# Altium PCB 应变片击打感应模块.PcbDoc
Units mil, origin at the board's own origin, x right, y up, seen from the top; angles counter-clockwise.
Board outline 2145 x 2210 mil, 2 copper layers (Top Layer, Bottom Layer); 36 components, 18 nets, 102 pads, 274 vias.
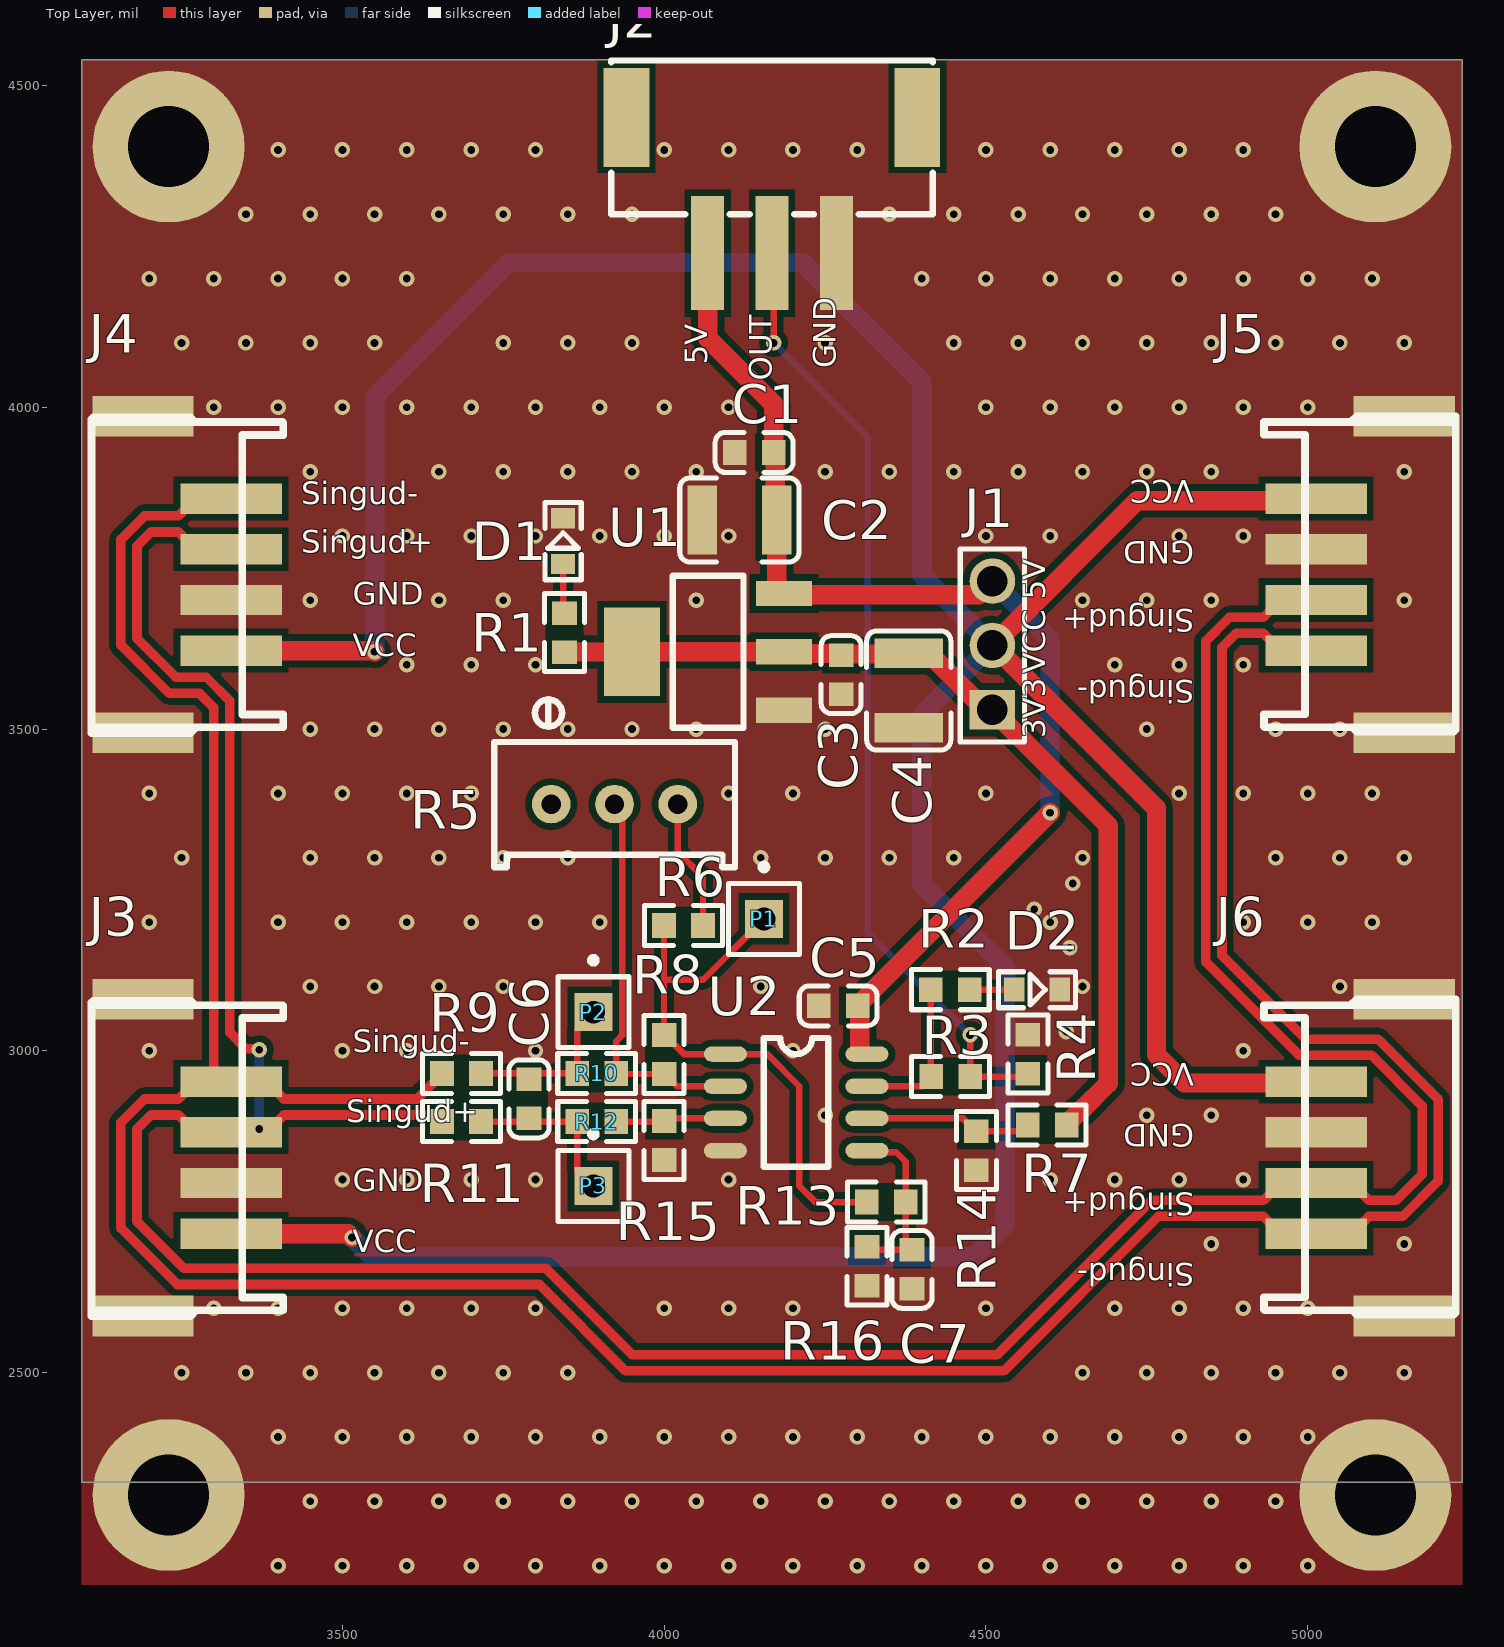
[diagram p0: Top Layer view]
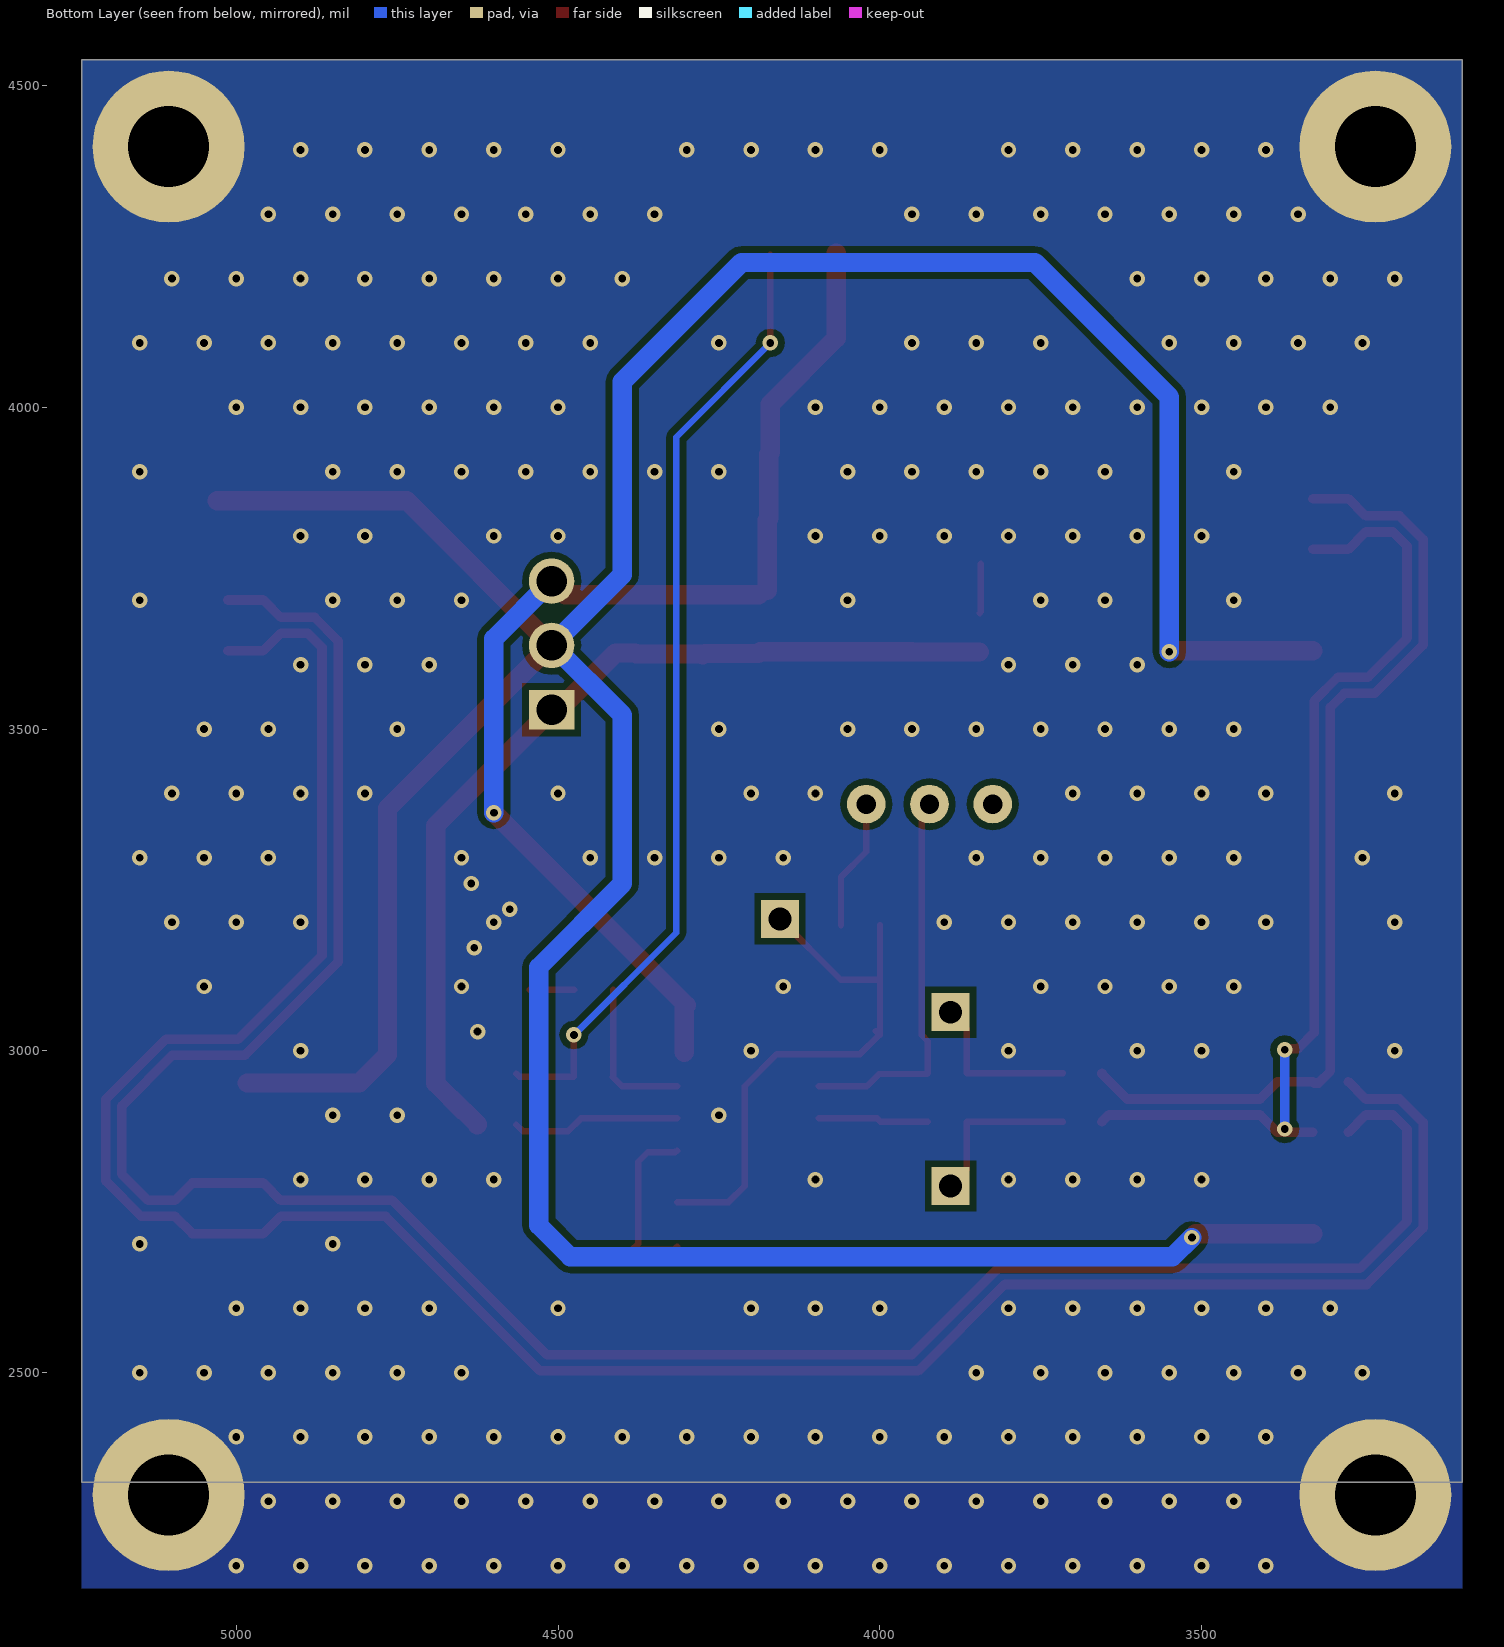
[diagram p1: Bottom Layer view, seen from below]
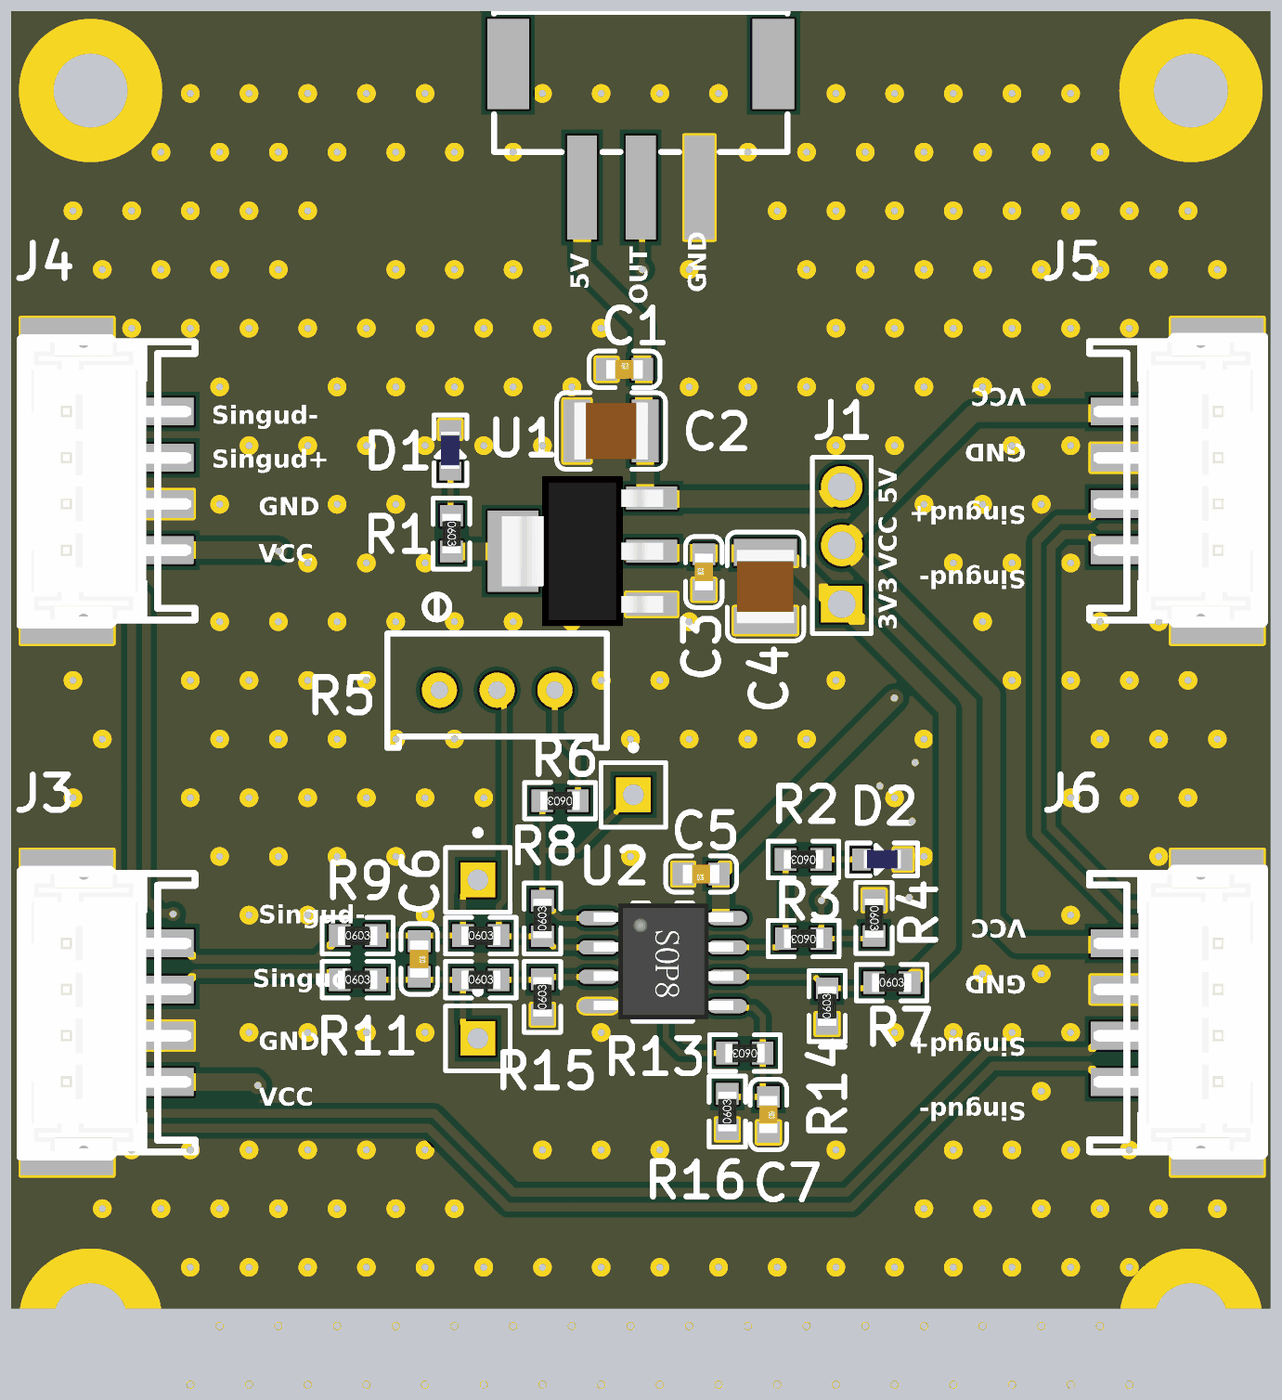
[diagram p2: 3D render of the assembled board from above, using the file's embedded part models]

## Layer stack, top to bottom
Top Solder: solder mask 0.4, Solder Resist, Dk 3.5
Top Layer: signal copper 1.4
Dielectric 1: dielectric 12.6, FR-4, Dk 4.8
Bottom Layer: signal copper 1.4
Bottom Solder: solder mask 0.4, Solder Resist, Dk 3.5

## Board outline
3095,2330 3095,4540 5240,4540 5240,2330

## Design rules (kind name [scope] priority, off if disabled: settings)
Clearance [All] p1: gap=10 ignorepadtopadclearanceinfootprint=FALSE except(0: Arc-Hole Track-Hole SMDPad-Hole THPad-Hole Via-Hole Fill-Hole Poly-Hole Region-Hole Text-Hole)
PolygonConnect [All] p1: connectstyle=Direct reliefconductorwidth=10 reliefentries=4 polygonreliefangle="90 Angle" airgapwidth=10
RoutingVias [All] p1: holewidth=28 width=50 viastyle="Through Hole" minholewidth=28 minwidth=50 maxholewidth=28 maxwidth=50
SolderMaskExpansion [All] p1: expansion=4 istentingtop=FALSE
Width [All] p1: maxlimit=100 minlimit=10 preferedwidth=10
30 further rules are at their usual default settings.

## Components (designator, comment, footprint, x,y, rotation, side; value= is the part's Value field where it differs from the comment)
C1 "10uF" 0603_C 4140,3930 r0 top
C2 "10uF" 1210_C 4116.93,3825 r0 top
C3 "10uF" 0603_C 4275,3585 r90 top
C4 "10uF" 1210_C 4380,3560 r90 top
C5 "100nF" 0603_C 4270,3070 r180 top
C6 "?uF" 0603_C 3790,2925 r270 top
C7 "?uF" 0603_C 4385,2660 r270 top
D1 "LED0" LED-0603 3845,3790 r90 top
D2 "LED0" LED-0603 4577.25,3093 r0 top
J1 "HEADER1x3" "排针排母 3P 2.54mm" 4510,3630 r90 top
J2 "PH 3P" "XH 3P 2.54mm 立 贴" 4167.5,4345 r0 top
J3 "HEADER1x4" "PH 4P 2mm 卧 贴" 3295,2833.97 r90 top
J4 "HEADER1x4" "PH 4P 2mm 卧 贴" 3295,3740 r90 top
J5 "HEADER1x4" "PH 4P 2mm 卧 贴" 5045,3740 r270 top
J6 "HEADER1x4" "PH 4P 2mm 卧 贴" 5045,2833.97 r270 top
P1 "Plug" PIN1 4155,3205 r0 top
P2 "Plug" PIN1 3890,3060 r0 top
P3 "Plug" PIN1 3890,2790 r0 top
R1 "1K" 0603_R 3845,3650 r270 top
R2 "1K" 0603_R 4444.69,3095 r180 top
R3 "1K" 0603_R 4445,2960 r180 top
R4 "3K" 0603_R 4565,2995 r270 top
R5 "20K" 3296X 3920,3385 r90 top
R6 "100K" 0603_R 4030,3195 r180 top
R7 "1K" 0603_R 4595,2885 r0 top
R8 "348K" 0603_R 4000,2994.33 r90 top
R9 "100R" 0603_R 3685,2965 r0 top
R10 "1K" 0603_R 3895,2965 r0 top
R11 "100R" 0603_R 3685,2890 r0 top
R12 "1K" 0603_R 3895,2890 r0 top
R13 "60R" 0603_R 4345,2765 r180 top
R14 "1K" 0603_R 4485,2845 r90 top
R15 "750K" 0603_R 4000,2860.67 r90 top
R16 "1K" 0603_R 4315,2665.31 r90 top
U1 "AMS1117" AMS1117 3929.11,3746 r270 top
U2 "LM358" SOP-8 4096,2996 r0 top

## Footprints (in the part's own frame and the unit in brackets; to place one, negate y for a bottom-side part, rotate by r counter-clockwise, add the part's x,y. Pads: shape width x height; smd on the part's side, far side on the other; paste and mask are expansions set on the pad)
0603_C [mm] "SMD, 0603"
  rect 0.93x0.98 smd: 1(-0.778,0) 2(0.762,0)
  silkscreen extent -1.54,-0.79 1.53,0.79, body extent -0.81,-0.4 0.79,0.4, height 0.3
0603_R [mm] "SMD, 0603"
  rect 0.93x0.98 smd: 1(-0.77,0) 2(0.77,0)
  silkscreen extent -1.53,-0.79 1.54,0.79, body extent -0.85,-0.4 0.85,0.4, height 0.56
1210_C [mm] "SMD, 1210"
  rect 1.16x2.72 smd: 1(-1.475,0) 2(1.475,0)
  silkscreen extent -2.35,-1.66 2.36,1.66, body extent -1.6,-1.25 1.6,1.25, height 1.3
3296X [mil]
  round 60 hole 30: 1(-1.57,95.64) 2(-1.57,-2.78) 3(-1.57,-101.21)
  silkscreen extent -100,-190 161,184
AMS1117 [mm]
  rect 1x2.2 smd: 1(5.5,6.531) 2(3.2,6.531) 3(0.9,6.531)
  rect 3.5x2.2 smd: 2(3.2,0.531)
  silkscreen extent 0.2,2.13 6.2,4.93, body extent -0.04,0.04 6.44,7.02, height 1.64
LED-0603 [mm]
  rect 0.8x0.95 smd: 1(-0.849,0.051) 2(0.951,0.051)
  silkscreen extent -1.47,-0.66 1.57,0.76, body extent -0.75,-0.34 0.85,0.46, height 0.8
"PH 4P 2mm 卧 贴" [mm]
  rect 1.6x4 smd: 0(-6.248,2.667) 0(6.248,2.667)
  rect 1.2x4 smd: 1(-3,-0.813) 2(-1,-0.813) 3(1,-0.813) 4(3,-0.813)
  silkscreen extent -6.25,-2.87 6.2,4.7, body extent -6,-2.7 6,4.7, height 6.5
PIN1 [mm] "Connector; Plug"
  rect 1.5x1.5 hole 0.9: 1(0,0)
  silkscreen extent -1.4,-1.4 1.4,2.17
SOP-8 [mil]
  oval 66.93x24 smd: 1(-1,-1) 2(-1,-51) 3(-1,-101) 4(-1,-151) 5(219,-151) 6(219,-101) 7(219,-51) 8(219,-1)
  silkscreen extent 59,-176 159,24, body extent -9,-174 229,24, height 63
"XH 3P 2.54mm 立 贴" [mm]
  rect 1.3x4.5 smd: 1(-2.54,-2.675) 2(0,-2.675) 3(2.54,-2.675)
  rect 1.8x3.9 smd: 4(-5.741,2.675) 5(5.741,2.675)
  silkscreen extent -6.35,-1.13 6.35,4.93
"排针排母 3P 2.54mm" [mm]
  rect 1.575x1.8 hole 1.2: 1(-2.54,0)
  round 1.8 hole 1.2: 2(0,0) 3(2.54,0)
  silkscreen extent -3.81,-1.27 3.81,1.27

## Part data
C1 C2 C3 C4 C5 C6 C7: library part Cap, LatestRevisionDate=17-Jul-2002, LatestRevisionNote="Re-released for DXP Platform.", PackageReference=RAD-0.3, Published=8-Jun-2000, Publisher="Altium Limited"
R1 R2 R3 R4 R6 R7 R8 R9 R10 R11 R12 R13 R14 R15 R16: library part Res, LatestRevisionDate=17-Jul-2002, LatestRevisionNote="Re-released for DXP Platform.", PackageReference=AXIAL-0.4, Published=8-Jun-2000, Publisher="Altium Limited"
R5: library part 精密可调电阻20K
U1: "线性稳压3.3V-5V 1A"
U2: BOM_Manufacturer="BLUE ROCKET", BOM_Manufacturer Part=LM358, BOM_Supplier=LCSC, BOM_Supplier Part=C328566, Contributor=LCSC, spicePre=U, spiceSymbolName=LM358
D1 D2: LatestRevisionDate=08-Jul-2005, LatestRevisionNote="Mech Layer 1 removed.", PackageReference=LED-0, Published=8-Jun-2000, Publisher="Altium Limited"
P1 P2 P3: LatestRevisionDate=17-Jul-2002, LatestRevisionNote="Re-released for DXP Platform.", Publisher="Altium Limited"

## Free pads (board coordinates)
  round 236.22 hole 125.98: 2(3230,2310) 2(3230,4405) 2(5105,2310) 2(5105,4405)

## Via types
v1: diameter 24, hole 12, Top Layer to Bottom Layer, 274 vias

## Nets (pads, with @x,y where several pads share a name; then routed paths per layer and width w, separated by ;. In a path a pad name is that pad's centre, name@x,y a point inside that pad or via, vN(x,y) a via of type N, cw(c..) or ccw(c..) an arc to the next point about the centre after c; other vN are vias at no path point)
GND: C1.1 C2.1 C3.1 C4.1 C5.2 C7.2 D1.2 D2.2 J2.3 J3.0 J3.2 J4.0 J4.2 J5.0 J5.2 J6.0 J6.2 pad.2 R4.1 R14.1 R15.1 R16.1 U1.1 U2.4
  other v1: 3400,2200 3500,2200 3600,2200 3700,2200 3800,2200 3900,2200 4000,2200 4100,2200 4200,2200 4300,2200 4400,2200 4500,2200 4600,2200 4700,2200 4800,2200 4900,2200 5000,2200 3450,2300 3550,2300 3650,2300 3750,2300 3850,2300 3950,2300 4050,2300 4150,2300 4250,2300 4350,2300 4450,2300 4550,2300 4650,2300 4750,2300 4850,2300 4950,2300 3400,2400 3500,2400 3600,2400 3700,2400 3800,2400 3900,2400 4000,2400 4100,2400 4200,2400 4300,2400 4400,2400 4500,2400 4600,2400 4700,2400 4800,2400 4900,2400 5000,2400 3250,2500 3350,2500 3450,2500 3550,2500 3650,2500 3750,2500 3850,2500 4650,2500 4750,2500 4850,2500 4950,2500 5050,2500 5150,2500 3300,2600 3400,2600 3500,2600 3600,2600 3700,2600 3800,2600 4000,2600 4100,2600 4200,2600 4500,2600 4700,2600 4800,2600 4900,2600 5000,2600 4850,2700 5150,2700 3500,2800 3600,2800 3700,2800 3800,2800 4100,2800 4600,2800 4700,2800 4800,2800 4900,2800 4250,2900 4750,2900 4850,2900 3200,3000 3500,3000 3600,3000 3800,3000 4200,3000 4900,3000 4625,3030 3450,3100 3550,3100 3650,3100 3750,3100 4150,3100 4650,3100 5050,3100 4630,3160 3200,3200 3400,3200 3500,3200 3600,3200 3700,3200 3800,3200 3900,3200 4600,3200 4900,3200 5000,3200 5100,3200 4575,3220 4635,3260 3250,3300 3450,3300 3550,3300 3650,3300 3750,3300 3850,3300 4150,3300 4250,3300 4350,3300 4450,3300 4650,3300 4950,3300 5050,3300 5150,3300 3200,3400 3400,3400 3500,3400 3600,3400 3700,3400 4100,3400 4200,3400 4500,3400 4800,3400 4900,3400 5000,3400 5100,3400 3450,3500 3550,3500 3650,3500 3750,3500 3850,3500 3950,3500 4050,3500 4250,3500 4750,3500 4950,3500 5050,3500 3600,3600 3700,3600 3800,3600 4700,3600 4800,3600 4900,3600 3450,3700 3650,3700 3750,3700 4050,3700 4650,3700 4750,3700 4850,3700 5150,3700 3500,3800 3600,3800 3700,3800 3800,3800 3900,3800 4000,3800 4100,3800 4500,3800 4600,3800 4800,3800 4900,3800 3450,3900 3650,3900 3750,3900 3850,3900 3950,3900 4050,3900 4250,3900 4350,3900 4450,3900 4550,3900 4650,3900 4750,3900 4850,3900 5150,3900 3300,4000 3400,4000 3500,4000 3600,4000 3700,4000 3800,4000 3900,4000 4000,4000 4100,4000 4500,4000 4600,4000 4700,4000 4800,4000 4900,4000 5000,4000 3250,4100 3350,4100 3450,4100 3550,4100 3750,4100 3850,4100 3950,4100 4250,4100 4450,4100 4550,4100 4650,4100 4750,4100 4850,4100 4950,4100 5050,4100 5150,4100 3200,4200 3300,4200 3400,4200 3500,4200 3600,4200 4400,4200 4500,4200 4600,4200 4700,4200 4800,4200 4900,4200 5000,4200 5100,4200 3350,4300 3450,4300 3550,4300 3650,4300 3750,4300 3850,4300 3950,4300 4350,4300 4450,4300 4550,4300 4650,4300 4750,4300 4850,4300 4950,4300 3400,4400 3500,4400 3600,4400 3700,4400 3800,4400 4000,4400 4100,4400 4200,4400 4300,4400 4500,4400 4600,4400 4700,4400 4800,4400 4900,4400
NetC6_1: C6.1 P2.1 R9.2 R10.1 | length 219.1
  Top Layer w10: R9.2 R10.1 P2.1@3864.69,3034.69
NetC6_2: C6.2 P3.1 R11.2 R12.1 | length 259.9
  Top Layer w10: R11.2 R12.1 3864.69,2815.31 P3.1
NetC7_1: C7.1 R13.1 R16.2 U2.5 | length 280.6
  Top Layer w10: R16.2 4320,2690.63 C7.1 4375.31,2700.32 R13.1 4375.31,2827.68 4360.67,2842.32 4317.68,2842.32 U2.5
NetD1_1: D1.1 R1.1 | length 77.1
  Top Layer w10: D1.1 3843,3682.31 R1.1
NetD2_1: D2.1 R2.1 | length 68.8
  Top Layer w10: R2.1 D2.1
NetR5_2: R5.2 R8.1 R10.2 U2.2 | length 600.2
  Top Layer w10: R5.2@3934.53,3383.43 3934.53,3024.26 3925.32,3015.05 R10.2 3926.3,2964.02 R8.1 4000.98,2964.02 4020,2945 U2.2
NetR5_3: R5.3 R6.1 | length 204.6
  Top Layer w10: R5.3 4021.21,3309.15 4060.31,3270.04 R6.1
NetR7_1: R7.1 R14.2 U2.6 | length 261.9
  Top Layer w10: U2.6 4464.33,2895 4484.02,2875.32 R14.2 4555,2875.32 R7.1
NetR12_2: R12.2 R15.2 U2.3 | length 171.8
  Top Layer w10: R12.2 3999.02,2890 R15.2 4004.02,2895 U2.3
OUT1: P1.1 R6.2 R8.2 R13.2 U2.1 | length 887.2
  Top Layer w10: R6.2 3999.68,3110.47 ; R8.2@4006.21,3030.85 R8.2 R8.2@4000.98,3024.65 ; P1.1 4060.47,3110.47 3999.68,3110.47 ; R13.2 4235,2765 4210,2790 4210,2945 4160,2995 U2.1 4030.63,2995 R8.2@4000.98,3024.65 ; 3999.68,3110.47 3999.68,3025.95 4000.49,3025.14 R8.2@4000.98,3024.65
OUT2: R2.2 R3.2 U2.7 | length 241.6
  Top Layer w10: U2.7 4400.67,2945 4414.68,2959.02 R3.2 4414.37,2960.31 R2.2
Singnd+: J3.3 J4.3 J5.3 J6.3 R11.1 | length 5240.2
  Top Layer w15: J3.3@3271.88,2873.34 3245.01,2900.21 3202.73,2900.21 3180.76,2878.24 3180.76,2734.98 3253.78,2661.96 3816.27,2661.96 3950.55,2527.68 4517.32,2527.68 4757.37,2767.72 4931.01,2767.72 4957.88,2794.59 J6.3 5068.12,2794.59 5094.99,2767.72 5137.27,2767.72 5177.68,2808.13 5177.68,2914.51 5098.99,2993.2 4986.45,2993.2 4841.76,3137.88 4841.76,3637.15 4878.37,3673.76 4931.01,3673.76 4957.88,3700.63 J5.3 ; J3.3 3370.72,2873.34 3382.12,2873.34 3408.99,2900.21 3644.48,2900.21 R11.1 ; J4.3 3271.88,3779.37 3245.01,3806.24 3202.73,3806.24 3180.76,3784.27 3180.76,3641.02 3241.26,3580.52 3288.39,3580.52 3325,3543.91 3325,3028.25 3349.74,3003.5 3369,3003.5 v1(3370.72,3001.78)
  Bottom Layer w15: v1(3370.72,2878.58) v1(3370.72,3001.78)
Singnd-: J3.4 J4.4 J5.4 J6.4 R9.1 | length 5290
  Top Layer w15: J3.4@3271.88,2952.08 3245.01,2925.21 3192.37,2925.21 3155.76,2888.59 3155.76,2724.63 3243.43,2636.96 3805.91,2636.96 3940.19,2502.68 4527.68,2502.68 4767.72,2742.72 4931.01,2742.72 4957.88,2715.85 J6.4 5068.12,2715.85 5094.99,2742.72 5147.63,2742.72 5202.68,2797.77 5202.68,2924.86 5109.34,3018.2 4996.8,3018.2 4866.76,3148.24 4866.76,3626.79 4888.73,3648.76 4931.01,3648.76 4957.88,3621.89 J5.4 ; J3.4@3325,2950 3318.2,2950 3300,2968.2 3300,3533.55 3278.03,3555.52 3230.91,3555.52 3155.76,3630.66 3155.76,3794.63 3192.37,3831.24 3245.01,3831.24 3271.88,3858.11 J4.4 ; J3.4 3382.12,2952.08 3408.99,2925.21 3615.87,2925.21 3654.69,2964.02 R9.1
SOUT: J2.2 R3.1 R4.2 | length 1495.3
  Top Layer w10: v1(4170,4100) J2.2@4170,4237.18 ; v1(4475.31,3024.69) R3.1 4560.32,2960 R4.2
  Bottom Layer w10: v1(4170,4100) 4316.32,3953.68 4316.32,3183.68 v1(4475.31,3024.69)
VCC_3V3: C3.2 C4.2 J1.1 R1.2 R7.2 U1.2 | length 1454.5
  Top Layer w30: R1.2 3949.68,3619.68 3950,3620 4186.22,3620 4188.72,3617.5 4272.5,3617.5 C3.2 4276.54,3616.54 4378.46,3616.54 C4.2 4410.71,3618.07 4482.78,3546 4494,3546 J1.1 4514.43,3530 4530.43,3514 4530.43,3509.57 4690,3350 4690,2949.68 4646.07,2905.75 4645.08,2905.75 4625.32,2885.98 R7.2
VCC_5V0: C1.2 C2.2 C5.1 J1.3 J2.1 U1.3 U2.8 | length 1784.2
  Top Layer w30: J2.1 4067.5,4107.5 4170,4005 C1.2 ; C2.2@4172.5,3827.5 C1.2@4172.5,3927.5 ; U1.3@4175,3715.24 C2.2 ; U1.3 4187.92,3708.85 4488.85,3708.85 J1.3 ; C5.1@4300.63,3070.98 v1(4599.65,3370) v1@4600,3370 ; U2.8@4303.94,2998 C5.1@4303.94,3066.69
  Bottom Layer w30: J1.3 4599.65,3640.35 v1(4599.65,3370)
VCC_IN: J1.2 J3.1 J4.1 J5.1 J6.1 | length 5920.2
  Top Layer w30: J3.1 3509.15,2715.85 v1(3515,2710) ; J4.1 3548.11,3621.89 v1(3550,3620) ; J6.1@4982.87,2950 4808.93,2950 4765,2993.93 4765,3376.79 4511.79,3630 J1.2 4735,3855 J5.1@5030,3855
  Bottom Layer w30: v1(3515,2710) 3545,2680 4481.07,2680 4530,2728.93 4530,3130 4400,3260 4400,3521.79 4508.21,3630 J1.2 4400,3740 4400,4040 4215,4225 3758.93,4225 3550,4016.07 v1(3550,3620)
pads on no net: J2.4 J2.5 R5.1

## Polygon pours and split planes (outlines as drawn)
GND on Bottom Layer "GND_L02_P000" (solid, pour order 0): 3095,2165 3095,4540 5240,4540 5240,2165
GND on Top Layer "GND_L01_P001" (solid, pour order 1): 3095,2170 3095,4540 5240,4540 5240,2170

## Silkscreen, mask and mechanical layers (free items; w line width, h text height)
Top Overlay:
  text "5V" at 4078.45,4066 h60 r90
  text "GND" at 4278.44,4061.06 h60 r90
  text "OUT" at 4178.44,4041.06 h60 r90
  text "VCC" at 4824,3898.45 h60 r180
  text "Singud-" at 3436.06,3837.49 h60
  text "GND" at 4823.94,3803.45 h60 r180
  text "Singud+" at 3436.06,3762.49 h60
  text "5V" at 4603.44,3701 h60 r90
  text "Singud+" at 4823.94,3697.51 h60 r180
  text "GND" at 3516.06,3681.55 h60
  text "VCC" at 3516,3601.55 h60
  text "Singud-" at 4823.94,3587.51 h60 r180
  text "VCC" at 4603.44,3586 h60 r90
  text "3V3" at 4603.44,3486 h60 r90
  text "VCC" at 4824,2992.41 h60 r180
  text "Singud-" at 3516.06,2986.45 h60
  text "GND" at 4823.94,2897.41 h60 r180
  text "Singud+" at 3506.06,2877.49 h60
  text "Singud+" at 4823.94,2791.48 h60 r180
  text "GND" at 3516.06,2770.52 h60
  text "Singud-" at 4823.94,2681.48 h60 r180
  text "VCC" at 3516,2675.52 h60
Mechanical 1:
  lines w10: 3095,2165 3095,4540 5240,4540 5240,2165 3095,2165